# Altium PCB CameraControler0.4.PcbDoc (part 2 of 2)
Units mm, origin at the board's own origin, x right, y up, seen from the top; angles counter-clockwise.
Board outline 140 x 112 mm, 2 copper layers (Top Layer, Bottom Layer); 294 components, 219 nets, 919 pads, 87 vias.
Unrouted connection lines stored in the file: 409.
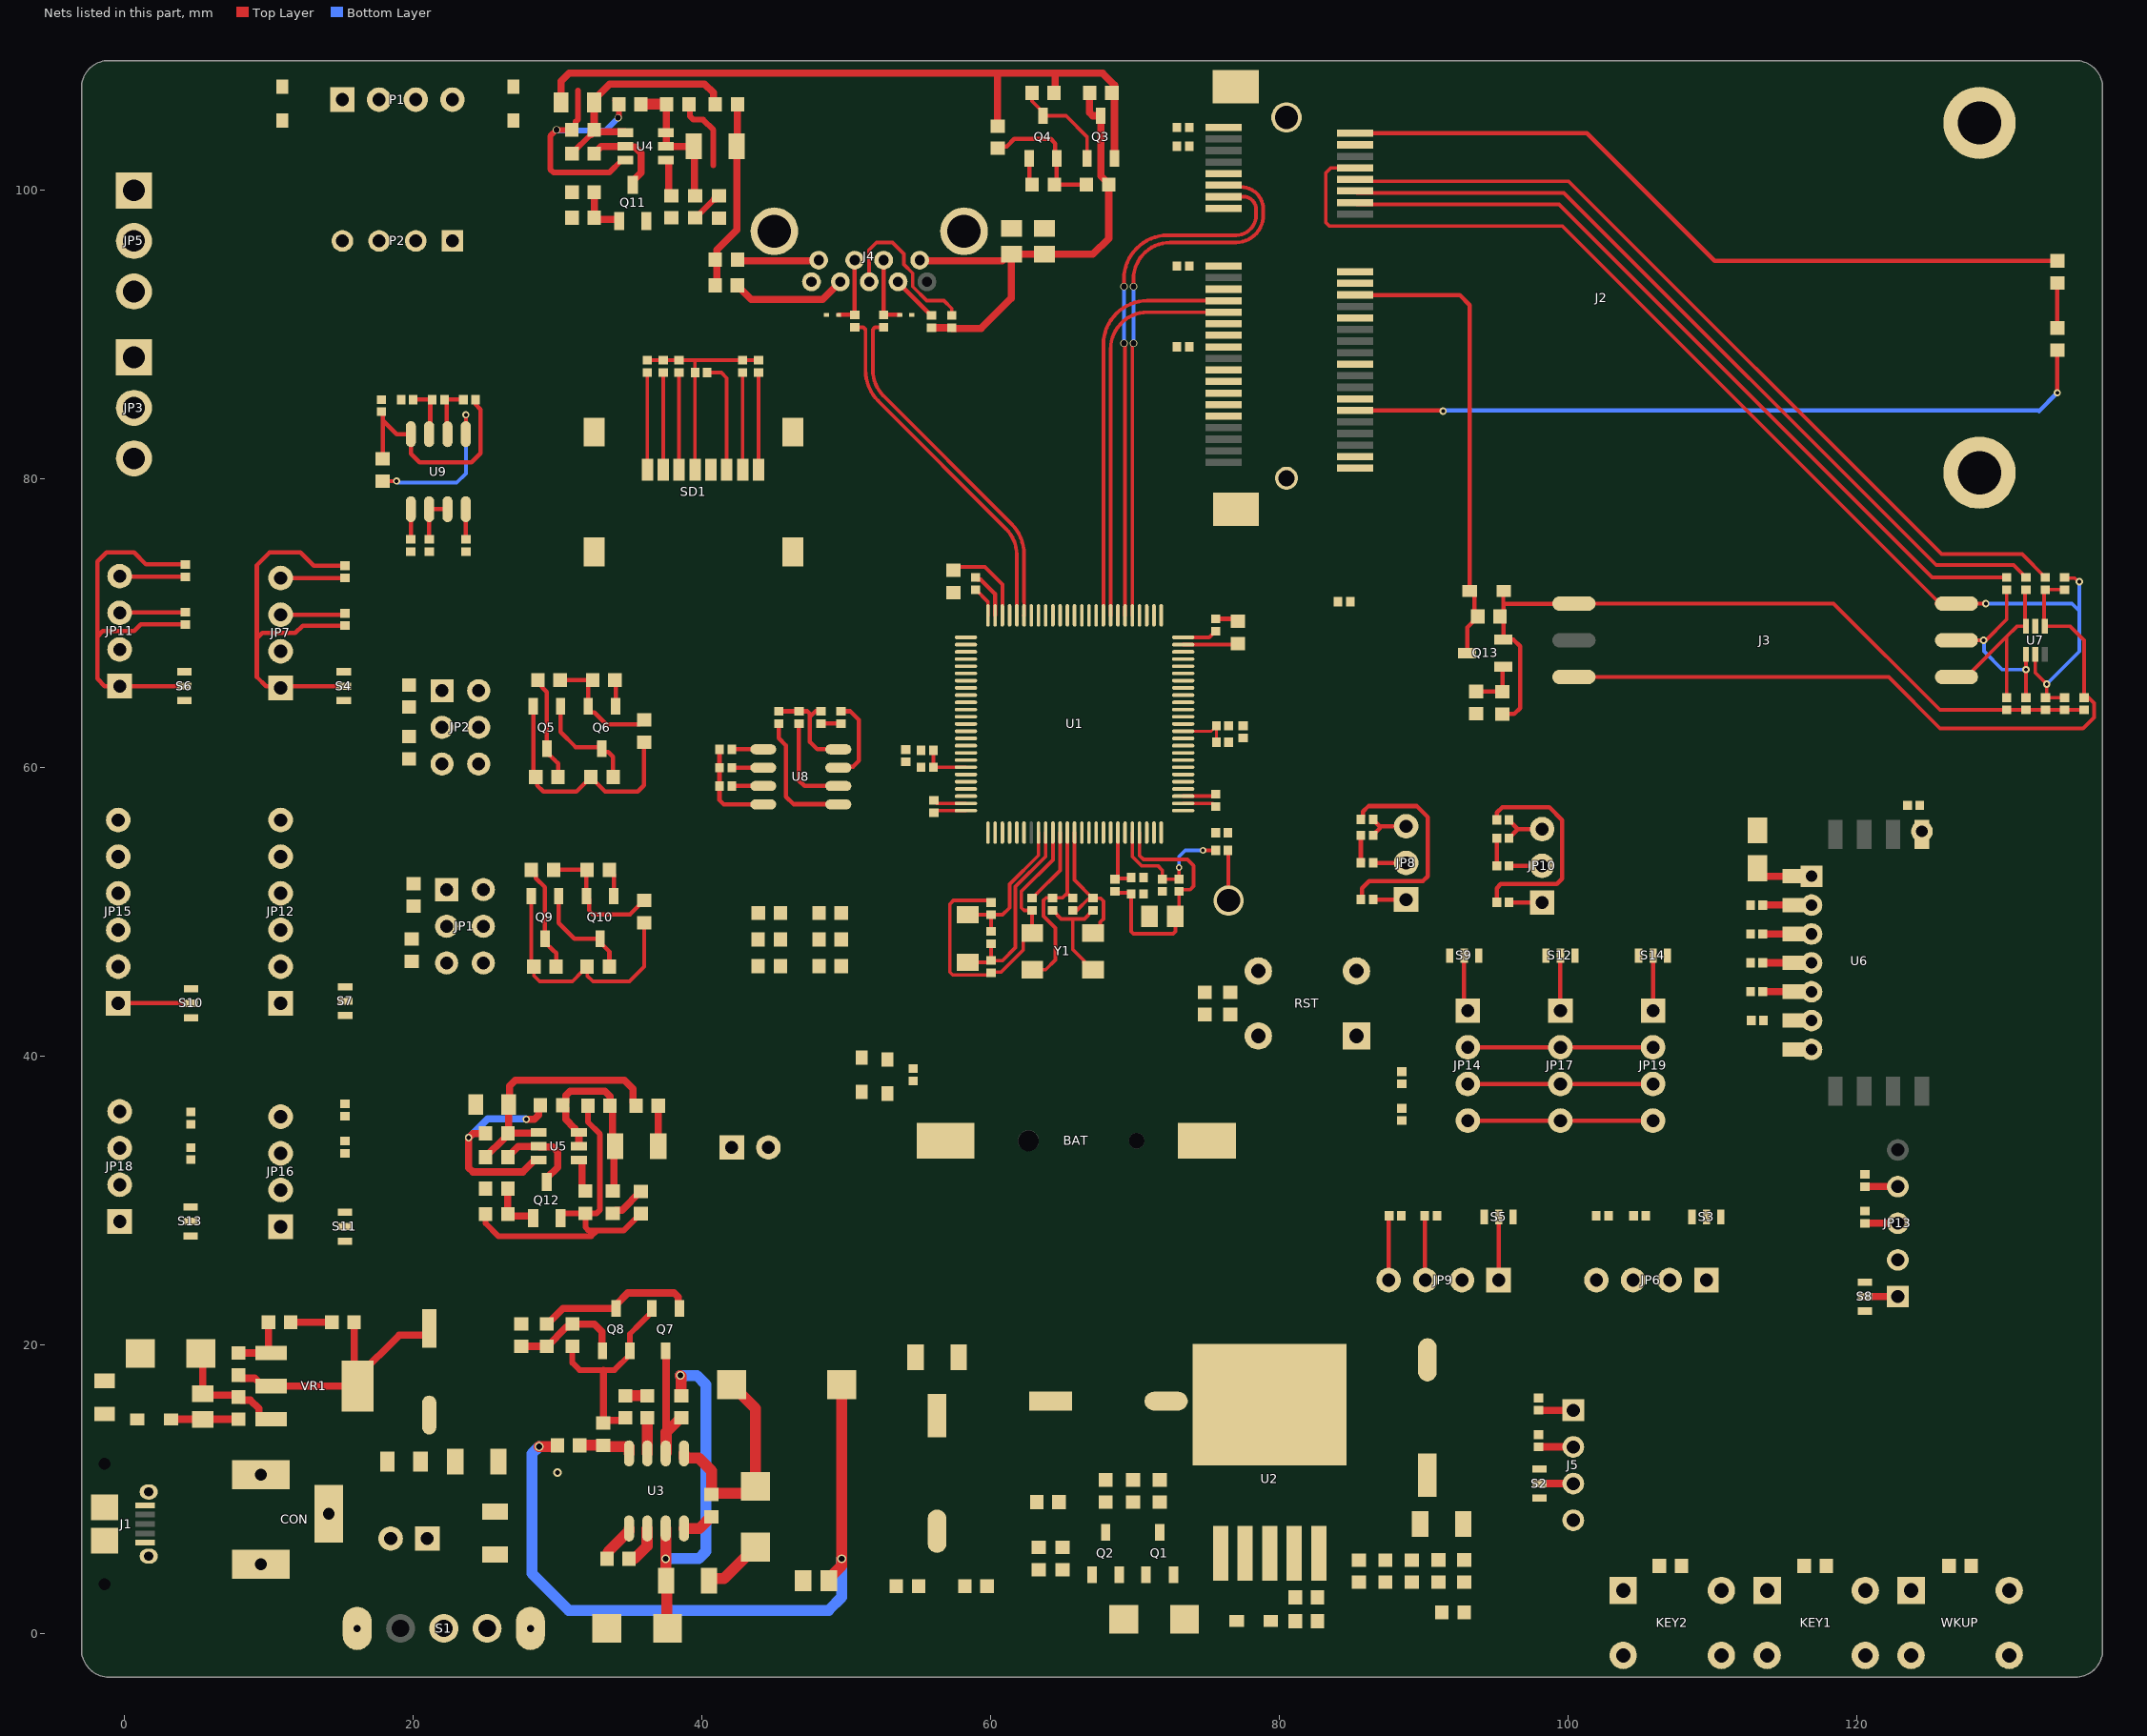
[diagram p2: the nets of this part, all layers, seen from the top]

## Via types
v1: diameter 0.6, hole 0.35, Top Layer to Bottom Layer, 60 vias
v2: diameter 0.508, hole 0.254, Top Layer to Bottom Layer, 9 vias
v3: diameter 0.508, hole 0.406, Top Layer to Bottom Layer, 6 vias
v4: diameter 0.61, hole 0.406, Top Layer to Bottom Layer, 4 vias
v5: diameter 4, hole 3, Top Layer to Bottom Layer, 4 vias
v6: diameter 0.508, hole 0.305, Top Layer to Bottom Layer, 2 vias
v7: diameter 0.457, hole 0.254, Top Layer to Bottom Layer, 2 vias

## Nets (pads, with @x,y where several pads share a name; then routed paths per layer and width w, separated by ;. In a path a pad name is that pad's centre, name@x,y a point inside that pad or via, vN(x,y) a via of type N, cw(c..) or ccw(c..) an arc to the next point about the centre after c; other vN are vias at no path point)
+3.3V_VCC: C18.1 C20.2 C21.1 C32.2 C50.1 D1.1 D3.1 LED1.A LED2.A LED3.A Q5.2 R2.1 R7.1 R9.1 R15.1 R16.1 R20.1 R21.1 R22.1 R23.1 R24.1 R42.2 R44.2 R123.1 R124.1 R126.2 SD1.4 U8.8 VR1.2 | length 60
  Top Layer w0.254: R20.1@36.196,88.233 R22.1@38.396,88.233 39.496,88.233 ; SD1.4@39.496,80.652 C18.1@39.496,87.383 39.496,88.233 ; R24.1@43.896,88.233 R23.1@42.796,88.233 39.496,88.233
  Top Layer w0.3: Q5.2@28.289,64.265 28.289,59.3 28.554,59.034 28.554,58.784 28.985,58.354 31.288,58.354 R42.2@32.279,59.345 ; R42.2@32.279,59.37 R42.2@32.279,59.345 ; C32.2@35.97,61.775 35.97,58.784 35.539,58.354 33.27,58.354 R42.2@32.279,59.345 ; R123.1@45.299,63.919 47.282,63.919 47.458,63.743 47.458,63.538 ; C50.1@48.22,63.919 47.839,63.919 47.458,63.538 ; U8.8@49.423,61.281 47.976,61.281 47.458,61.799 47.458,63.538
  Top Layer w0.5: C20.2@7.874,17.928 8.089,17.713 8.986,17.713 9.531,17.168 VR1.2@10.131,17.168 VR1.2@16.131,17.168 ; R126.2@15.883,21.59 15.883,17.416 VR1.2@16.131,17.168 ; C21.1@21.082,21.161 21.082,20.951 20.832,20.701 19.014,20.701 16.131,17.818 VR1.2@16.131,17.168
+3.3V_VCC_4G: J2.2 J2.39 J2.41 J2.52 R28.2 R72.2 R75.1 | length 52.3
  Top Layer w0.3: J2.2@85.217,103.961 101.271,103.961 110.109,95.123 R72.2@133.858,95.123
+3.3V_VCC_OUT3.3: C36.2 JP2.1 JP2.3 JP2.5 Q5.3 R44.1 R54.2 R101.1 S2.1 S3.1 S4.1 S5.1 S6.1 S7.1 S8.1 S9.1 S10.1 S11.1 S12.1 S13.1 S14.1 | length 7.3
  Top Layer w0.3: C36.2@28.613,66.084 28.613,65.873 29.239,65.248 Q5.3@29.239,61.315 29.239,61.065 29.782,60.522 29.797,60.522 30.009,60.31 R44.1@30.009,59.37
+3.3V_VCC_WiFi: C44.1 R41.2 U6.1 | length 2.9
  Top Layer w0.5: C44.1@113.084,53.046 113.084,52.917 113.509,52.492 U6.1@115.683,52.492
+3.3V_VDD: C10.1 C11.1 C12.1 C13.1 C14.1 C15.1 R6.1 R15.2 R16.2 U1.11 U1.19 U1.28 U1.50 U1.75 U1.100 | length 19
  Top Layer w0.254: C10.1@56.007,56.896 56.147,57.036 U1.100@58.261,57.036 ; C15.1@58.928,72.346 58.953,72.346 59.784,71.515 59.784,70.563 U1.75@59.786,70.561 ; C11.1@62.853,50.967 62.878,50.967 63.051,51.14 63.051,51.165 64.786,52.9 U1.11@64.786,55.511 ; R6.1@68.58,52.285 68.639,52.344 R6.1@68.664,52.344 ; U1.19@68.786,55.511 68.786,52.466 R6.1@68.664,52.344 ; C12.1@69.704,52.403 69.645,52.344 R6.1@68.664,52.344 ; U1.28@73.311,58.036 73.313,58.038 75.432,58.038 C13.1@75.565,58.171 ; U1.50@73.311,69.036 75.107,69.036 75.54,69.469 C14.1@75.565,69.469
+5V_VBAT: R25.2 R26.2 S1.2
+5V_VBAT_IN: C29.2 C38.2 D4.1 D5.1 D6.2 D7.1 D10.1 F3.2 F4.2 F5.2 Q3.2 Q9.2 R35.2 R37.2 R55.2 R56.2 | length 68.6
  Top Layer w0.254: Q9.2@28.157,51.114 28.157,46.399 R56.2@28.337,46.219 28.337,45.6 28.734,45.203 31.012,45.203 31.665,45.856 31.69,45.856 R55.2@32.028,46.194 ; R55.2@32.028,46.219 R55.2@32.028,46.194 ; C38.2@35.973,49.267 35.973,46.219 34.957,45.203 32.425,45.203 32.028,45.6 R55.2@32.028,46.194
  Top Layer w0.5: F4.2@30.226,106.103 30.226,107.569 30.79,108.133 60.458,108.133 ; C29.2@60.458,104.458 60.458,108.133 ; R35.2@64.456,106.849 64.456,108.133 ; Q3.2@68.549,102.221 68.549,107.31 67.726,108.133 64.456,108.133 ; 60.458,108.133 64.456,108.133
  Top Layer w0.6: F4.2@30.224,106.101 F4.2@30.226,106.103 ; R35.2@64.371,106.763 R35.2@64.456,106.849
+5V_VCC_CAM: R57.2 R88.1 R89.1 R136.2 | length 13.2
  Top Layer w0.4: R57.2@42.39,103.053 R57.2@42.415,103.078 ; R136.2@42.415,105.949 R136.2@42.44,105.974
  Top Layer w0.5: R89.1@40.886,93.417 41.021,93.552 41.021,95.885 42.39,97.254 R57.2@42.39,103.053 ; R57.2@42.415,103.078 R136.2@42.415,105.949
+5V_VCC_OUT: JP4.1 R65.2 R137.2 | length 2.8
  Top Layer w0.5: R65.2@36.951,33.782 R137.2@36.951,36.588
+5V_VCC_OUT5: C41.2 JP1.1 JP1.3 JP1.5 Q9.3 R46.2 R56.1 S2.3 S3.3 S4.3 S5.3 S6.3 S7.3 S8.3 S9.3 S10.3 S11.3 S12.3 S13.3 S14.3 | length 7.4
  Top Layer w0.3: C41.2@28.157,52.933 28.472,52.618 28.472,52.359 29.107,51.724 Q9.3@29.107,48.164 29.107,47.914 29.651,47.371 29.665,47.371 29.877,47.159 R56.1@29.877,46.219
+5V_VCC_USB: C30.2 C51.2 C52.2 J4.1 Q3.3 R37.1 R84.2 R125.2 | length 34.5
  Top Layer w0.254: R37.1@66.616,106.763 R37.1@66.616,107.117
  Top Layer w0.5: J4.1@55.062,95.171 55.114,95.119 60.79,95.119 61.263,95.592 C51.2@61.418,95.592 ; R84.2@55.88,90.485 R125.2@57.277,90.485 57.327,90.435 58.352,90.435 58.363,90.424 59.309,90.424 61.418,92.533 C51.2@61.418,95.592 ; R37.1@66.829,106.763 66.829,105.405 67.062,105.171 Q3.3@67.599,105.171 67.599,100.985 C30.2@68.156,100.427 ; C30.2@68.156,100.402 68.156,96.686 67.062,95.592 C52.2@63.704,95.592 C51.2@61.418,95.592
ADC_CH1: R100.2 R132.1 U1.15 | length 15.4
  Top Layer w0.3: R100.2@85.615,50.898 R100.2@85.615,50.873 85.687,50.945 85.687,51.648 86.182,52.143 89.908,52.143 90.25,52.485 90.25,56.588 89.488,57.35 86.146,57.35 85.765,56.969 85.765,56.584 R132.1@85.615,56.434
ADC_CH2: R103.2 R104.1 U1.16 | length 2.1
  Top Layer w0.3: R104.1@85.615,55.318 R103.2@85.615,53.413 R103.2@85.765,53.563
ADC_CH3: R106.2 R107.1 U1.17 | length 15.4
  Top Layer w0.3: R106.2@95.035,50.673 95.035,51.666 95.312,51.943 99.187,51.943 99.568,52.324 99.568,56.388 98.679,57.277 95.416,57.277 95.035,56.896 R107.1@95.035,56.388
ADC_CH4: R108.2 R109.1 U1.18 | length 1.9
  Top Layer w0.3: R108.2@95.035,53.213 R109.1@95.035,55.118
BOOT0: R7.2 R8.1 U1.94 | length 3.4
  Top Layer w0.254: R7.2@56.007,61.222 R8.1@56.007,60.036 U1.94@58.261,60.036
BOOT1: R9.2 R10.1 U1.37 | length 3.6
  Top Layer w0.203: U1.37@73.311,62.536 75.256,62.536 75.604,62.884 R10.1@75.604,61.766
Cam_Connect: J4.8 R84.1 U1.4 | length 3.3
  Top Layer w0.3: J4.8@53.562,93.671 53.562,93.628 55.855,91.335 R84.1@55.88,91.335
Cam_TakePhoto: J4.7 R125.1 U1.5 | length 11.5
  Top Layer w0.254: J4.7@51.562,93.671 51.562,95.885 51.689,96.012 52.07,96.393 53.174,96.393 53.975,95.592 53.975,94.869 54.576,94.268 54.576,93.343 55.558,92.361 56.737,92.361 57.277,91.821 R125.1@57.277,91.335
EC25_DTR: R80.1 U1.60
EC25_PERST#: R73.1 U1.61
EC25_RI: R81.1 U1.57
EC25_W_DISABLE: R83.2 U1.88
EC25_WAKE#: R82.1 U1.62
GND: BAT.2 C1.1 C2.2 C3.1 C4.1 C5.2 C6.1 C7.2 C8.1 C9.1 C10.2 C11.2 C12.2 C13.2 C14.2 C15.2 C16.2 C17.2 C18.2 C19.1 C20.1 C21.2 C22.1 C23.2 C24.1 C25.2 C26.1 C27.1 C28.1 C29.1 C30.1 C32.1 C33.2 C34.2 C35.1 C36.1 C38.1 C40.1 C41.1 C43.1 C44.2 C45.1 C46.1 C47.1 C48.1 C49.1 C50.2 C51.1 C52.1 C53.2 C54.1 CON.2 CON.3 D6.1 D9.1 D11.1 D13.1 D14.2 D15.2 J1.5 J1.Shell J2.4 J2.9 J2.15 J2.18 J2.21 J2.26 J2.27 J2.29 J2.34 J2.35 J2.37 J2.40 J2.43 J2.50 J2.53 J2.54 J2.MH1 J2.MH2 J2.MH3 J2.MH4 J3.4 J4.5 J4.Shell J5.4 JP1.2 JP1.4 JP1.6 JP2.2 JP2.4 JP2.6 JP3.3 JP4.2 JP5.3 JP6.2 JP7.2 JP8.3 JP9.2 JP10.3 JP11.2 JP12.2 JP13.2 JP14.2 JP15.2 JP16.2 JP17.2 JP18.2 JP19.2 JP20.2 KEY1.2 KEY2.2 LED11.K LED12.K LED13.K LED14.K LED15.K LED16.K LED18.K P1.4 P2.2 Q1.2 Q2.2 Q4.2 Q6.2 Q7.2 Q8.2 Q10.2 Q11.2 Q12.2 Q13.2 R8.2 R10.2 R31.1 R33.1 R38.1 R39.1 R47.1 R49.1 R51.2 R52.1 R53.1 R61.2 R62.1 R64.2 R69.2 R71.2 R74.2 R85.2 R86.2 R87.2 R90.2 R104.2 R107.2 R109.2 R122.1 R132.2 RST.1 S1.0 SD1.6 SD1.9 SD1.10 SD1.11 SD1.12 U1.10 U1.20 U1.27 U1.74 U1.99 U2.0 U2.3 U3.5 U6.7 U7.2 U8.4 U9.5 VR1.1 WKUP.2 Y1.2 Y1.4 | length 230.1
  Top Layer w0.254: C53.2@17.868,79.867 v2(18.824,79.867) ; U9.5@23.622,83.118 v2(23.622,84.455) ; C18.2@40.346,87.383 41.315,87.383 41.696,87.002 SD1.6@41.696,80.652 ; C10.2@56.007,57.746 C10.2@56.032,57.746 56.242,57.536 U1.99@58.261,57.536 ; C16.2@60.001,50.664 59.857,50.808 57.404,50.808 57.15,50.554 57.15,45.848 57.35,45.648 59.85,45.648 C17.2@60.001,45.799 60.05,45.848 60.707,45.848 62.23,47.371 62.23,48.081 62.703,48.554 Y1.4@62.853,48.554 C11.2@62.853,50.117 62.294,50.117 62.103,50.308 62.103,51.435 64.286,53.618 U1.10@64.286,55.511 ; C2.2@64.258,50.117 64.283,50.117 64.863,49.538 65.664,49.538 ; Y1.2@67.069,46.014 66.919,46.014 66.446,46.487 66.446,46.637 65.664,47.42 65.664,49.538 ; C5.2@67.069,50.117 67.044,50.117 66.465,49.538 65.664,49.538 ; U1.27@73.311,57.536 75.325,57.536 75.54,57.321 C13.2@75.565,57.321 ; 95.484,71.374 95.484,72.23 D13.1@95.517,72.263 ; J3.4@100.373,71.374 118.364,71.374 125.73,64.008 C47.1@130.346,64.008 C48.1@131.688,64.008 C49.1@133.026,64.008 ; C49.1@133.03,64.008 C46.1@135.714,64.008
  Top Layer w0.3: C41.1@29.697,52.933 R62.1@32.028,52.933 31.975,52.88 Q10.2@31.975,51.114 32.15,50.939 32.15,50.124 32.425,49.849 34.99,49.849 35.948,50.807 C38.1@35.973,50.807 ; C36.1@30.153,66.084 R49.1@32.406,66.084 32.099,65.777 Q6.2@32.099,64.265 32.099,64.015 32.274,63.84 32.524,63.84 33.365,63 35.655,63 C32.1@35.97,63.315 ; R85.2@41.191,61.281 R86.2@41.191,60.011 R87.2@41.191,58.741 41.191,57.769 41.489,57.471 U8.4@44.223,57.471 ; C50.2@48.22,63.069 R122.1@49.617,63.069 ; C15.2@58.928,73.196 59.078,73.046 59.281,73.046 60.286,72.041 U1.74@60.286,70.561 ; C29.1@60.458,102.918 60.593,103.053 61.093,103.053 61.601,103.561 64.141,103.561 64.456,103.246 64.456,102.316 Q4.2@64.551,102.221 R39.1@64.551,100.575 ; R39.1@64.522,100.547 R39.1@64.551,100.575 ; C30.1@66.616,100.402 64.724,100.402 R39.1@64.551,100.575 ; C14.2@75.565,70.319 76.926,70.319 C3.1@77.089,70.156 ; R104.2@86.465,55.318 86.465,55.343 86.921,55.799 86.921,55.953 ; R132.2@86.465,56.434 86.465,56.409 86.921,55.953 ; JP8.3@88.729,55.975 JP8.3@88.751,55.953 86.921,55.953 ; JP14.2@93.027,40.64 JP17.2@99.441,40.64 JP19.2@105.855,40.64 ; R74.2@95.424,63.727 96.239,63.727 96.647,64.135 96.647,68.426 96.178,68.895 Q13.2@95.484,68.895 95.484,71.374 J3.4@100.373,71.374 ; R109.2@95.885,55.118 95.885,55.143 96.495,55.753 ; R107.2@95.885,56.388 95.885,56.363 96.495,55.753 ; JP10.3@98.171,55.753 96.495,55.753
  Top Layer w0.4: R71.2@24.986,29.083 24.986,28.448 25.875,27.559 32.305,27.559 32.686,27.94 ; Q12.2@30.19,28.801 30.19,28.994 30.34,29.144 R69.2@31.903,29.144 ; R52.1@31.007,19.923 31.007,18.777 31.496,18.288 33.917,18.288 34.986,19.357 Q8.2@34.986,19.607 34.986,20.782 35.686,21.482 35.69,21.482 36.515,22.307 Q7.2@36.515,22.557 ; C43.1@32.07,36.588 32.07,35.467 32.92,34.617 32.92,29.378 32.686,29.144 R69.2@31.903,29.144 ; LED14.K@35.751,29.116 35.726,29.116 34.55,27.94 32.686,27.94 ; C40.1@39.069,105.974 39.151,105.892 39.151,105.136 39.385,104.902 40.059,104.902 40.765,104.196 40.765,101.727 ; R69.2@31.903,29.144 31.903,28.174 32.137,27.94 32.686,27.94
  Top Layer w0.5: R47.1@33.147,14.605 33.147,18.253
  Top Layer w0.508: D6.1@3.212,14.868 C19.1@7.874,14.868 ; C20.1@7.874,19.468 VR1.1@10.131,19.468 9.954,19.645 LED18.K@9.954,21.59 ; R47.1@33.147,14.605 33.325,14.783 34.493,14.783 R53.1@34.671,14.962
  Top Layer w0.762: R51.2@33.393,5.207 33.477,5.291 33.477,5.695 34.925,7.143 U3.5@34.925,7.306 ; C33.2@40.615,3.838 41.506,3.838 D11.1@43.688,6.02
  Bottom Layer w0.254: v2(18.824,79.867) 18.935,79.756 22.987,79.756 23.622,80.391 v2(23.622,84.455)
  other v1: 29.972,11.176
I2C1_SCL: R124.2 U1.95 U8.6 | length 6.8
  Top Layer w0.3: R124.2@46.696,63.069 46.696,59.122 47.077,58.741 U8.6@49.423,58.741
I2C1_SDA: R123.2 U1.96 U8.5 | length 9.1
  Top Layer w0.3: R123.2@45.299,63.069 45.299,62.053 45.807,61.545 45.807,57.989 46.315,57.481 49.413,57.481 U8.5@49.423,57.471
I2C2_SCL: JP14.3 JP17.3 JP19.3 R114.2 U1.47 | length 12.8
  Top Layer w0.3: JP14.3@93.027,38.1 JP17.3@99.441,38.1 JP19.3@105.855,38.1
I2C2_SDA: JP14.4 JP17.4 JP19.4 R116.2 U1.48 | length 12.8
  Top Layer w0.3: JP14.4@93.027,35.56 JP17.4@99.441,35.56 JP19.4@105.855,35.56
I2C_SCL_OLED: R97.2 U1.84
I2C_SCL_S1: JP7.3 R98.2 U1.92 | length 4.7
  Top Layer w0.3: JP7.3@10.795,70.612 15.328,70.612 R98.2@15.24,70.7
I2C_SCL_S2: JP11.3 R110.2 U1.81 | length 4.5
  Top Layer w0.3: JP11.3@-0.254,70.739 -0.232,70.761 4.169,70.761 R110.2@4.191,70.783
I2C_SDA_OLED: R96.2 U1.85
I2C_SDA_S1: JP7.4 R99.2 U1.93 | length 4.4
  Top Layer w0.3: JP7.4@10.795,73.152 R99.2@15.24,73.152
I2C_SDA_S2: JP11.4 R111.2 U1.82 | length 4.5
  Top Layer w0.3: JP11.4@-0.254,73.279 -0.21,73.235 R111.2@4.191,73.235
IO1_IN: R112.2 U1.33
IO1_OUT: R102.2 U1.38
IO2_IN: R113.2 U1.34
IO2_OUT: R105.2 U1.39
KEY1: R18.1 U1.97
KEY2: R19.1 U1.98
KEY_WKUP: R1.1 R17.1 U1.23
LED1: R12.1 U1.1
LED2: R13.1 U1.2
LED3: R14.1 U1.3
LED_WWAN#: J2.42 LED10.K | length 52.1
  Top Layer w0.3: J2.42@85.217,84.761 91.261,84.761 v2(91.313,84.709) ; v2(133.858,85.979) LED10.K@133.858,88.928
  Bottom Layer w0.3: v2@91.313,84.761 132.588,84.761 ; 132.588,84.709 v2(133.858,85.979)
LOG_RXD: P2.4 U1.69
LOG_TXD: P2.3 U1.68
NetBAT_1: BAT.1 D2.1
NetC1_2: C1.2 R2.2 RST.2 U1.14
NetC2_1: C2.1 R3.2 U1.12 Y1.1 | length 13
  Top Layer w0.254: Y1.1@62.853,46.014 63.786,46.014 64.46,46.688 64.46,48.895 63.627,49.728 63.627,50.808 63.817,50.998 64.227,50.998 C2.1@64.258,50.967 64.289,50.998 64.964,50.998 65.286,51.32 ; U1.12@65.286,55.511 65.286,51.32 ; R3.2@65.664,50.967 65.639,50.967 65.286,51.32
NetC3_2: C3.2 U1.49 | length 3.8
  Top Layer w0.254: U1.49@73.311,68.536 77.009,68.536 C3.2@77.089,68.616
NetC4_2: C4.2 U1.73 | length 6.1
  Top Layer w0.254: C4.2@57.404,73.676 57.642,73.914 59.563,73.914 60.786,72.691 U1.73@60.786,70.561
NetC5_1: C5.1 R3.1 U1.13 Y1.3 | length 10.1
  Top Layer w0.203: C5.1@66.786,50.967 C5.1@67.044,50.967 ; Y1.3@67.069,48.554 Y1.3@67.564,49.049
  Top Layer w0.254: R3.1@65.664,50.117 65.936,50.117 C5.1@66.786,50.967 ; U1.13@65.786,55.511 65.786,52.225 67.044,50.967 C5.1@67.069,50.967 67.588,50.967 67.786,50.769 67.786,49.538 67.564,49.316 Y1.3@67.564,49.049
NetC6_2: C6.2 R4.1 R5.1 U1.21 | length 10.2
  Top Layer w0.254: U1.21@69.786,55.511 69.786,53.84 70.413,53.213 71.552,53.213 71.865,52.9 C6.2@71.865,52.285 R4.1@73.025,52.285 v7(73.025,53.086) ; v7(74.676,54.273) R5.1@75.565,54.273
  Bottom Layer w0.254: v7(73.025,53.086) 73.025,53.848 73.45,54.273 v7(74.676,54.273)
NetC7_1: C7.1 D1.2 D2.2 U1.6
NetC19_2: C19.2 C22.2 D5.2 VR1.3 | length 8.6
  Top Layer w0.5: D5.2@5.275,19.431 5.402,19.304 C22.2@5.402,16.648 5.522,16.528 7.754,16.528 C19.2@7.874,16.408 8.089,16.193 8.699,16.193 9.281,15.611 9.281,15.118 9.531,14.868 VR1.3@10.131,14.868
NetC23_1: C23.1 C24.2 D7.2 D9.2 R29.2 R32.2 U2.2
NetC25_1: C25.1 C26.2 C27.2 C28.2 R27.2 R28.1 R30.2 R31.2 U2.4
NetC31_1: C31.1 U3.8 | length 2.2
  Top Layer w0.762: U3.8@38.735,7.306 39.801,7.306 40.615,8.12 C31.1@40.64,8.12
NetC31_2: C31.2 D11.2 L1.2 U3.1 | length 15.2
  Top Layer w0.762: U3.1@38.735,12.506 38.735,12.223 38.766,12.192 39.751,12.192 40.64,11.303 C31.2@40.64,9.66 40.724,9.744 43.212,9.744 D11.2@43.688,10.22 43.688,15.621 L1.2@42.037,17.272
NetC33_1: C33.1 D10.2 R45.1 U3.7 | length 25
  Top Layer w0.762: U3.7@37.465,7.306 v4(37.465,5.207) 37.465,3.714 C33.1@37.496,3.683 37.544,3.635 37.544,0.429 D10.2@37.592,0.381 ; v4(38.481,17.907) 38.522,17.866 38.522,16.527 R45.1@38.547,16.502
  Bottom Layer w0.762: v4(37.465,5.207) 39.751,5.207 40.259,5.715 40.259,17.272 39.624,17.907 v4(38.481,17.907)
NetC34_1: C34.1 C35.2 L1.1 R40.2 R41.1 R43.2 | length 49.9
  Top Layer w0.762: v4(28.702,12.981) 29.88,12.981 R40.2@29.964,13.065 29.972,13.057 29.964,13.049 R40.2@29.972,13.041 ; C35.2@48.769,3.683 48.769,3.838 49.657,4.726 v4(49.657,5.207) L1.1@49.657,17.272
  Bottom Layer w0.762: v4(28.702,12.981) 28.194,12.473 28.194,4.191 30.749,1.636 48.753,1.636 49.657,2.54 v4(49.657,5.207)
NetC37_1: C37.1 R53.2 | length 1.5
  Top Layer w0.762: R53.2@34.671,16.502 C37.1@36.195,16.502
NetC37_2: C37.2 U3.3 | length 2.5
  Top Layer w0.762: U3.3@36.195,12.506 C37.2@36.195,14.962
NetC39_1: C39.1 C40.2 R57.1 R60.2 U4.2 U4.3 | length 10.1
  Top Layer w0.5: U4.2@37.474,103.053 R57.1@39.41,103.053 39.456,103.006 39.456,99.686 R60.2@39.503,99.64 ; U4.2@37.501,103.08 C40.2@37.501,105.946
  Top Layer w0.762: C39.1@35.759,105.974 C40.2@37.529,105.974 C40.2@37.501,105.946
NetC39_2: C39.2 R59.1 U4.6 | length 18.5
  Top Layer w0.4: 31.375,106.934 31.375,104.902 31.235,104.762 31.235,104.461 R59.1@30.97,104.196 v3(29.906,104.196) 29.47,103.76 29.47,101.473 29.708,101.235 33.556,101.235 34.424,102.103 U4.6@34.674,102.103 ; C39.2@33.954,106.239 C39.2@34.219,105.974 34.219,105.079 v3(34.169,105.029)
  Bottom Layer w0.4: v3(29.906,104.196) 29.962,104.14 33.28,104.14 v3(34.169,105.029)
NetC42_1: C42.1 C43.2 R65.1 R67.2 U5.2 U5.3 | length 14.3
  Top Layer w0.5: U5.2@31.457,33.782 U5.3@31.457,34.732 31.207,34.732 31.157,34.782 31.157,35.032 30.542,35.647 30.542,36.402 C42.1@30.327,36.617 30.542,36.832 30.542,37.299 30.835,37.592 33.252,37.592 33.61,37.234 C43.2@33.61,36.588 33.79,36.408 33.79,33.962 R65.1@33.971,33.782 33.889,33.7 33.889,30.766 R67.2@33.808,30.684
NetC42_2: C42.2 R68.1 U5.6 | length 14.9
  Top Layer w0.5: R68.1@24.986,34.671 24.116,34.671 v6(23.823,34.378) 23.823,32.297 24.116,32.004 27.579,32.004 28.407,32.832 U5.6@28.657,32.832 ; v6(27.805,35.647) 27.806,35.649 28.365,35.649 28.657,35.941 28.657,36.487 C42.2@28.787,36.617
  Bottom Layer w0.5: v6(23.823,34.378) 25.132,35.687 27.765,35.687 v6(27.805,35.647)
NetC46_2: C46.2 J3.6 R76.1 R79.2 U7.1 | length 50.6
  Top Layer w0.254: J3.6@100.373,66.294 122.174,66.294 125.73,62.738 135.636,62.738 136.398,63.5 136.398,64.477 135.934,64.941 135.714,64.941 C46.2@135.753,64.98 ; U7.1@132.94,69.953 132.94,72.26 R79.2@133.026,72.346 R76.1@134.366,72.346 ; U7.1@132.984,69.804 134.747,69.804 135.714,68.837 C46.2@135.714,64.858
NetC47_2: C47.2 J3.3 R78.2 U7.3 | length 12.9
  Top Layer w0.254: J3.3@126.873,66.294 127.554,66.294 130.346,69.086 ; C47.2@130.346,64.858 130.346,69.086 ; U7.3@131.622,69.935 131.622,72.282 R78.2@131.686,72.346 ; U7.3@131.684,69.804 131.064,69.804 130.346,69.086
NetC48_2: C48.2 J3.2 R77.2 U7.4 | length 13.4
  Top Layer w0.254: J3.2@126.873,68.834 v2(128.754,68.834) 128.907,68.834 130.346,70.273 R77.2@130.346,72.346 ; U7.4@131.684,67.864 131.685,67.863 v2(131.685,66.802) 131.685,64.859 C48.2@131.686,64.858
  Bottom Layer w0.254: v2(128.754,68.834) 128.778,68.81 128.778,68.072 130.048,66.802 v2(131.685,66.802)
NetC53_1: C53.1 R92.2 R101.2 U9.8 | length 16.1
  Top Layer w0.3: C53.1@17.868,81.407 17.868,84.074 ; R101.2@17.868,84.66 17.868,84.074 ; R92.2@24.301,85.51 24.301,85.173 24.638,84.836 24.638,81.788 24.003,81.153 20.427,81.153 19.812,81.768 U9.8@19.812,83.118 18.824,83.118 17.868,84.074
NetCON_1: CON.1 JP20.1 R26.1
NetD3_2: D3.2 P1.1
NetD4_2: D4.2 P2.1
NetD14_1: D14.1 J4.3 R134.2 | length 4.9
  Top Layer w0.3: D14.1@49.442,91.379 R134.2@50.562,91.379 J4.3@50.562,95.171
NetD15_1: D15.1 J4.2 R133.2 | length 4.9
  Top Layer w0.3: J4.2@52.562,95.171 R133.2@52.562,91.379 D15.1@53.682,91.379
NetF1_1: F1.1 R25.1
NetF1_2: F1.2 J1.1
NetF3_1: F3.1 S1.3
NetF4_1: F4.1 R58.2 R59.2 R136.1 U4.4 | length 16.4
  Top Layer w0.4: R58.2@30.978,102.57 R59.2@32.295,103.887
  Top Layer w0.5: R58.2@30.978,102.545 R58.2@30.978,102.57 ; R59.2@32.295,103.887 32.295,103.981 R59.2@32.51,104.196 ; U4.4@34.674,104.003 34.624,104.053 32.653,104.053 R59.2@32.51,104.196 ; R136.1@40.9,105.974 40.765,106.109 40.765,106.763 40.157,107.371 33.589,107.371 32.51,106.291 F4.1@32.51,106.101 R59.2@32.51,104.196
NetF5_1: F5.1 R66.2 R68.2 R137.1 U5.4 | length 17.4
  Top Layer w0.5: R66.2@24.986,33.02 24.986,33.045 26.311,34.37 26.311,34.456 R68.2@26.526,34.671 ; R68.2@26.6,34.954 F5.1@26.6,36.675 26.667,36.742 26.667,37.973 27.048,38.354 34.618,38.354 35.196,37.776 35.196,36.803 R137.1@35.411,36.588 ; R68.2@26.852,34.702 28.626,34.702 U5.4@28.657,34.732
NetJ2_1: J2.1 R75.2 R82.2
NetJ2_17: J2.17 R81.2
NetJ2_20: J2.20 R83.1
NetJ2_31: J2.31 R80.2
NetJ4_4: J4.4 R88.2 | length 5.7
  Top Layer w0.5: R88.2@42.44,95.201 42.523,95.119 48.01,95.119 J4.4@48.062,95.171
NetJ4_6: J4.6 R89.2 | length 8.1
  Top Layer w0.5: R89.2@42.426,93.417 42.426,93.392 42.641,93.177 42.666,93.177 43.387,92.456 48.347,92.456 J4.6@49.562,93.671
NetJ5_1: J5.1 R96.1 | length 2.4
  Top Layer w0.508: R96.1@97.917,15.494 J5.1@100.33,15.494
NetJ5_2: J5.2 R97.1 | length 2.4
  Top Layer w0.508: R97.1@97.917,12.954 J5.2@100.33,12.954
NetJ5_3: J5.3 S2.2 | length 2.3
  Top Layer w0.508: S2.2@97.99,10.414 J5.3@100.33,10.414
NetJP3_1: JP3.1 JP5.1 R90.1 R94.1 U9.7 | length 3.6
  Top Layer w0.3: R90.1@19.983,85.51 R94.1@21.292,85.51 ; U9.7@21.082,83.118 21.159,83.195 R94.1@21.159,85.377
NetJP3_2: JP3.2 JP5.2 R92.1 R94.2 U9.6 | length 3.7
  Top Layer w0.3: U9.6@22.352,83.118 22.288,83.182 22.288,85.447 22.225,85.51 R92.1@23.451,85.51
NetJP6_1: JP6.1 S3.2
NetJP6_3: JP6.3 R102.1
NetJP6_4: JP6.4 R105.1
NetJP7_1: JP7.1 R98.1 R99.1 S4.2 | length 27.3
  Top Layer w0.3: S4.2@15.167,65.659 10.922,65.659 10.919,65.656 9.782,65.656 9.144,66.294 9.144,68.961 ; R98.1@15.24,69.85 12.319,69.85 11.811,69.342 9.525,69.342 9.144,68.961 ; R99.1@15.24,74.002 13.088,74.002 12.16,74.93 10.033,74.93 9.144,74.041 9.144,68.961
NetJP8_1: JP8.1 R100.1 | length 2.3
  Top Layer w0.3: R100.1@86.465,50.873 JP8.1@88.751,50.873
NetJP8_2: JP8.2 R103.1 | length 2.3
  Top Layer w0.3: R103.1@86.465,53.413 JP8.2@88.751,53.413
NetJP9_1: JP9.1 S5.2 | length 4.4
  Top Layer w0.3: JP9.1@95.16,24.511 S5.2@95.16,28.883
NetJP9_3: JP9.3 R112.1 | length 4.5
  Top Layer w0.3: R112.1@90.036,28.956 90.058,28.934 90.058,24.533 JP9.3@90.08,24.511
NetJP9_4: JP9.4 R113.1 | length 4.5
  Top Layer w0.3: JP9.4@87.54,24.511 87.56,24.531 87.56,28.936 R113.1@87.579,28.956
NetJP10_1: JP10.1 R106.1 | length 2.3
  Top Layer w0.3: R106.1@95.885,50.673 JP10.1@98.171,50.673
NetJP10_2: JP10.2 R108.1 | length 2.3
  Top Layer w0.3: R108.1@95.885,53.213 JP10.2@98.171,53.213
NetJP11_1: JP11.1 R110.1 R111.1 S6.2 | length 27.5
  Top Layer w0.3: S6.2@4.118,65.659 -0.254,65.659 -1.397,65.659 -1.905,66.167 -1.905,69.088 ; R110.1@4.191,69.933 1.099,69.933 0.635,69.469 -1.524,69.469 -1.905,69.088 ; R111.1@4.191,74.085 1.48,74.085 0.635,74.93 -1.27,74.93 -1.905,74.295 -1.905,69.088
NetJP12_1: JP12.1 S7.2
NetJP13_1: JP13.1 S8.2 | length 2.3
  Top Layer w0.508: S8.2@120.523,23.368 JP13.1@122.809,23.368
NetJP13_3: JP13.3 R115.1 | length 2.3
  Top Layer w0.508: R115.1@120.523,28.448 JP13.3@122.809,28.448
NetJP13_4: JP13.4 R117.1 | length 2.3
  Top Layer w0.508: R117.1@120.523,30.988 JP13.4@122.809,30.988
NetJP14_1: JP14.1 R114.1 R116.1 S9.2 | length 3.9
  Top Layer w0.3: S9.2@92.773,46.99 92.773,43.434 JP14.1@93.027,43.18
NetJP15_1: JP15.1 S10.2 | length 4.5
  Top Layer w0.3: JP15.1@0.127,43.688 S10.2@4.6,43.688
NetJP16_1: JP16.1 S11.2
NetJP16_3: JP16.3 R118.1
NetJP16_4: JP16.4 R119.1
NetJP17_1: JP17.1 S12.2 | length 3.8
  Top Layer w0.3: JP17.1@99.441,43.18 S12.2@99.441,46.99
NetJP18_1: JP18.1 S13.2
NetJP18_3: JP18.3 R120.1
NetJP18_4: JP18.4 R121.1
NetJP19_1: JP19.1 S14.2 | length 3.8
  Top Layer w0.3: JP19.1@105.855,43.18 S14.2@105.855,46.99
NetKEY1_1: KEY1.1 R18.2
NetKEY2_1: KEY2.1 R19.2
NetLED1_K: LED1.K R12.2
NetLED2_K: LED2.K R13.2
NetLED3_K: LED3.K R14.2
NetLED10_A: LED10.A R72.1 | length 3.1
  Top Layer w0.3: LED10.A@133.858,90.468 R72.1@133.858,93.583
NetLED11_A: LED11.A R27.1
NetLED12_A: LED12.A R43.1
NetLED13_A: LED13.A R60.1 | length 2.3
  Top Layer w0.4: R60.1@39.528,98.1 LED13.A@40.837,99.409
  Top Layer w0.5: R60.1@39.503,98.1 R60.1@39.528,98.1 ; LED13.A@40.837,99.409 40.939,99.409 LED13.A@41.154,99.624
NetLED14_A: LED14.A R67.1 | length 2.6
  Top Layer w0.5: R67.1@33.808,29.144 34.023,29.359 34.429,29.359 35.726,30.656 LED14.A@35.751,30.656
NetLED15_A: LED15.A R46.1
NetLED16_A: LED16.A R54.1
NetLED18_A: LED18.A R126.1 | length 2.8
  Top Layer w0.5: LED18.A@11.494,21.59 R126.1@14.343,21.59
NetQ1_1: Q1.1 Q2.3 R32.1 R34.2
NetQ1_3: Q1.3 R29.1 U2.1
NetQ2_1: Q2.1 R34.1 R36.2 R38.2
NetQ3_1: Q3.1 Q4.3 R35.1 | length 7.7
  Top Layer w0.254: R35.1@62.846,107.117 62.846,106.176 63.419,105.603 63.601,105.421 Q4.3@63.601,105.171 65.198,105.171 66.649,103.721 Q3.1@66.649,102.221 ; Q4.3@63.425,105.609 Q4.3@63.601,105.433
NetQ5_1: Q5.1 Q6.3 R42.1 | length 8.1
  Top Layer w0.3: Q5.1@30.189,64.265 30.189,62.476 31.224,61.44 32.874,61.44 32.874,61.74 33.049,61.565 Q6.3@33.049,61.315 33.049,61.267 33.224,61.092 33.486,61.092 33.819,60.759 R42.1@33.819,59.37
NetQ7_1: Q7.1 Q8.3 R48.2 | length 11.1
  Top Layer w0.5: R48.2@29.229,21.463 29.254,21.463 30.348,22.557 Q8.3@34.036,22.557 ; 34.851,23.622 38.047,23.622 38.34,23.329 38.34,22.632 Q7.1@38.415,22.557
  Top Layer w0.508: Q8.3@34.036,22.557 34.036,22.807 34.851,23.622
NetQ7_3: Q7.3 R45.2 U3.2 | length 8.6
  Top Layer w0.508: Q7.3@37.465,19.607 37.496,19.576 37.496,13.952
  Top Layer w0.762: U3.2@37.465,12.506 37.496,12.537 37.496,13.952 38.522,14.978 R45.2@38.547,14.978
NetQ8_1: Q8.1 R48.1 R50.2 R52.2 | length 7.8
  Top Layer w0.5: R50.2@27.451,19.923 R48.1@29.229,19.923 29.254,19.923 30.579,21.248 30.792,21.248 R52.2@31.007,21.463 32.512,21.463 33.043,20.932 33.043,19.65 Q8.1@33.086,19.607
NetQ9_1: Q9.1 Q10.3 R55.1 | length 7.4
  Top Layer w0.3: Q9.1@30.057,51.114 30.057,49.244 31.137,48.164 Q10.3@32.925,48.164 32.925,47.914 33.568,47.271 R55.1@33.568,46.219
NetQ11_1: Q11.1 R63.2 R64.1 | length 3.6
  Top Layer w0.5: R63.2@32.518,99.878 R64.1@32.518,98.1 32.625,97.993 34.135,97.993 34.235,97.893 Q11.1@34.235,97.886
NetQ11_3: Q11.3 R58.1 U4.5 | length 6.1
  Top Layer w0.5: R58.1@32.518,102.545 32.518,102.57 33.001,103.053 U4.5@34.674,103.053 34.724,103.003 35.326,103.003 35.759,102.57 35.759,101.235 35.185,100.661 Q11.3@35.185,100.386
NetQ12_1: Q12.1 R70.2 R71.1 | length 3.7
  Top Layer w0.5: R70.2@26.526,30.841 R71.1@26.526,29.083 26.667,28.942 28.19,28.942 28.29,28.842 Q12.1@28.29,28.801
NetQ12_3: Q12.3 R66.1 U5.5 | length 6.4
  Top Layer w0.5: R66.1@26.526,33.02 26.526,33.045 27.263,33.782 U5.5@28.657,33.782 28.707,33.732 29.655,33.732 29.986,33.401 29.986,32.322 29.24,31.576 Q12.3@29.24,31.301
NetQ13_1: Q13.1 R73.2 R74.1 | length 3.6
  Top Layer w0.3: R73.2@93.599,65.286 95.405,65.286 R74.1@95.424,65.267 95.424,66.935 Q13.1@95.484,66.995
  Top Layer w0.508: R73.2@93.599,65.286 R73.2@93.609,65.276
NetR5_2: R5.2 TPH.1 | length 3.5
  Top Layer w0.254: R5.2@76.415,54.273 76.434,54.253 76.434,50.828 TPH.1@76.454,50.808
NetR17_2: R17.2 WKUP.1
NetR30_1: R30.1 R33.2 U2.5
NetR40_1: R40.1 R47.2 U3.4 | length 3.9
  Top Layer w0.762: R40.1@31.504,13.065 33.112,13.065 33.196,12.981 34.894,12.981 34.925,12.95 U3.4@34.925,12.506
NetR51_1: R51.1 U3.6 | length 4.1
  Top Layer w0.762: R51.1@34.933,5.207 35.306,5.207 36.164,6.065 36.164,7.275 U3.6@36.195,7.306 36.195,6.072
NetR61_1: R61.1 U4.1 | length 2.7
  Top Layer w0.5: U4.1@37.474,102.103 37.613,102.103 37.663,102.053 37.663,99.829 R61.1@37.852,99.64
NetR69_1: R69.1 U5.1 | length 2.4
  Top Layer w0.5: U5.1@31.457,32.832 31.63,32.832 31.68,32.782 31.68,30.899 31.895,30.684 R69.1@31.903,30.684
NetR85_1: R85.1 U8.1 | length 2.2
  Top Layer w0.3: R85.1@42.041,61.281 U8.1@44.223,61.281
NetR86_1: R86.1 U8.2 | length 2.2
  Top Layer w0.3: R86.1@42.041,60.011 U8.2@44.223,60.011
NetR87_1: R87.1 U8.3 | length 2.2
  Top Layer w0.3: R87.1@42.041,58.741 U8.3@44.223,58.741
NetR91_2: R91.2 U9.1 | length 2.1
  Top Layer w0.3: R91.2@19.812,75.819 U9.1@19.812,77.918
NetR93_2: R93.2 U9.2 U9.3 | length 3.4
  Top Layer w0.3: R93.2@21.082,75.819 U9.2@21.082,77.918 U9.3@22.352,77.918
NetR95_2: R95.2 U9.4 | length 2.1
  Top Layer w0.3: R95.2@23.622,75.819 U9.4@23.622,77.918
NetR122_2: R122.2 U8.7 | length 5.9
  Top Layer w0.3: U8.7@49.423,60.011 49.5,60.087 50.446,60.087 50.848,60.49 50.848,63.323 50.252,63.919 R122.2@49.617,63.919
NetR127_2: R127.2 U6.2 | length 2.2
  Top Layer w0.5: R127.2@113.455,50.492 U6.2@115.683,50.492
NetR128_2: R128.2 U6.3 | length 2.2
  Top Layer w0.5: R128.2@113.455,48.488 R128.2@113.455,48.488 115.681,48.49 U6.3@115.683,48.492
NetR129_2: R129.2 U6.4 | length 2.2
  Top Layer w0.5: R129.2@113.455,46.492 U6.4@115.683,46.492
NetR130_2: R130.2 U6.5 | length 2.2
  Top Layer w0.5: R130.2@113.455,44.492 U6.5@115.683,44.492
NetR131_2: R131.2 U6.6
NetR135_1: R135.1 U6.12
OSC32_IN: C16.1 R11.2 U1.8 Y2.2 | length 10.3
  Top Layer w0.254: Y2.2@58.388,49.827 58.401,49.814 C16.1@60.001,49.814 ; R11.2@60.001,48.657 C16.1@60.001,49.814 ; U1.8@63.286,55.511 63.286,53.936 61.286,51.936 61.286,50.308 60.792,49.814 C16.1@60.001,49.814
OSC32_OUT: C17.1 R11.1 U1.9 Y2.1 | length 13.7
  Top Layer w0.254: Y2.1@58.388,46.527 59.879,46.527 C17.1@60.001,46.649 ; R11.1@60.001,47.807 C17.1@60.001,46.649 ; U1.9@63.786,55.511 63.786,53.862 61.697,51.772 61.697,47.548 60.786,46.637 60.013,46.637 C17.1@60.001,46.649
PRESET: C45.2 D13.2 J2.22 Q13.3 | length 32.9
  Top Layer w0.254: D13.2@93.157,72.263 D13.2@93.472,71.948 ; C45.2@93.472,70.731 C45.2@93.718,70.485 C45.2@93.718,70.46
  Top Layer w0.3: J2.22@85.217,92.761 92.456,92.761 93.157,92.06 D13.2@93.157,72.263 ; Q13.3@92.984,67.945 92.984,69.726 C45.2@93.718,70.46 ; C45.2@93.472,70.731 D13.2@93.472,71.948
PWRER_CAM: R63.1 U1.43
PWRER_MIC: R36.1 U1.41
PWRER_MP: R50.1 U1.40
PWRER_OUT: R70.1 U1.42
PWRER_OUT3.3: Q6.1 R49.2 U1.45 | length 1.8
  Top Layer w0.3: R49.2@33.946,66.084 33.999,66.031 Q6.1@33.999,64.265
PWRER_OUT5: Q10.1 R62.2 U1.46 | length 1.9
  Top Layer w0.3: R62.2@33.568,52.933 33.875,52.626 Q10.1@33.875,51.114
PWRER_USB: Q4.1 R39.2 U1.44 | length 1.9
  Top Layer w0.3: Q4.1@62.651,102.221 62.651,100.597 R39.2@62.846,100.402
RS485_RE: R93.1 U1.36
SDIO_CMD: R22.2 SD1.3 U1.83 | length 6.7
  Top Layer w0.254: SD1.3@38.396,80.652 R22.2@38.396,87.383
SDIO_D0: R23.2 SD1.7 U1.65 | length 6.7
  Top Layer w0.254: SD1.7@42.796,80.652 R23.2@42.796,87.383
SDIO_D1: R24.2 SD1.8 U1.66 | length 6.7
  Top Layer w0.254: SD1.8@43.896,80.652 R24.2@43.896,87.383
SDIO_D2: R20.2 SD1.1 U1.78 | length 6.7
  Top Layer w0.254: SD1.1@36.196,80.652 R20.2@36.196,87.383
SDIO_D3: R21.2 SD1.2 U1.79 | length 6.7
  Top Layer w0.254: SD1.2@37.296,80.652 R21.2@37.296,87.383
SDIO_SCK: SD1.5 U1.80
SPI2_CSN: JP12.3 U1.51
SPI2_MISO: JP12.5 U1.53
SPI2_MOSI: JP12.6 U1.54
SPI2_SCLK: JP12.4 U1.52
SPI3_CSN: JP15.3 U1.77
SPI3_MISO: JP15.5 U1.90
SPI3_MOSI: JP15.6 U1.91
SPI3_SCLK: JP15.4 U1.89
SWCLK: P1.3 U1.76
SWDIO: P1.2 U1.72
UART2_RXD_1: R119.2 U1.26
UART2_RXD_2: R121.2 U1.87
UART2_TXD_1: R118.2 U1.25
UART2_TXD_2: R120.2 U1.86
UART3_CTS: J2.25 U1.58 | length 27.7
  Top Layer w0.254: U1.58@68.286,70.561 68.286,79.502 68.286,81.961 68.286,83.561 68.286,86.233 68.286,89.021 cw(c70.826,89.021) 70.826,91.561 J2.25@76.117,91.561
UART3_RTS: J2.23 U1.59 | length 28.8
  Top Layer w0.254: U1.59@67.786,70.561 67.786,89.321 cw(c70.826,89.321) 70.826,92.361 J2.23@76.117,92.361
UART3_RXD: J2.13 U1.56 | length 38.2
  Top Layer w0.254: v3(69.206,89.408) cw(c69.206,89.328) 69.286,89.328 69.286,80.761 69.286,79.248 69.286,78.486 69.286,76.835 U1.56@69.286,70.561 ; v3(69.206,93.343) 69.206,93.853 cw(c72.246,93.853) 72.246,96.893 76.967,96.893 ccw(c76.967,98.285) 78.359,98.285 78.359,98.696 ccw(c77.494,98.696) 77.494,99.561 J2.13@76.117,99.561
  Bottom Layer w0.254: v3(69.206,89.408) v3(69.206,93.343)
UART3_TXD: J2.11 U1.55 | length 38.9
  Top Layer w0.254: U1.55@69.786,70.561 69.786,89.328 cw(c69.866,89.328) v3(69.866,89.408) ; v3(69.866,93.343) 69.866,93.853 cw(c72.406,93.853) 72.406,96.393 76.967,96.393 ccw(c76.967,98.285) 78.859,98.285 78.859,98.679 ccw(c77.304,98.679) 77.304,100.234 76.424,100.234 cw(c76.424,100.668) J2.11@76.117,100.361
  Bottom Layer w0.254: v3(69.866,89.408) v3(69.866,93.343)
UART4_RXD: R115.2 U1.24
UART4_TXD: R1.2 R117.2
UART6_RXD: R91.1 U1.64
UART6_TXD: R95.1 U1.63
USB_N: R133.1 U1.70 | length 24.7
  Top Layer w0.254: R133.1@52.562,90.529 52.07,90.529 ccw(c52.07,90.275) 51.89,90.455 ccw(c52.07,90.275) 51.816,90.275 51.816,87.556 ccw(c54.356,87.556) 52.56,85.76 61.396,76.924 cw(c59.247,74.775) 62.286,74.775 62.286,71.501 62.294,71.493 62.294,70.561 U1.70@62.286,70.561
USB_P: R134.1 U1.71 | length 24.7
  Top Layer w0.254: R134.1@50.562,90.529 51.054,90.529 cw(c51.054,90.275) 51.234,90.455 cw(c51.054,90.275) 51.308,90.275 51.308,87.555 ccw(c54.353,87.555) 52.2,85.402 61.034,76.568 cw(c59.238,74.771) 61.778,74.771 61.778,71.001 61.786,70.993 U1.71@61.786,70.561
USIM_CLK: J2.12 R78.1 | length 57.6
  Top Layer w0.254: J2.12@85.217,99.961 85.344,99.834 99.671,99.834 125.464,74.041 130.841,74.041 R78.1@131.686,73.196
USIM_DATA: J2.10 R79.1 | length 59.2
  Top Layer w0.254: J2.10@85.217,100.761 85.344,100.634 100.003,100.634 125.834,74.803 131.419,74.803 R79.1@133.026,73.196
USIM_RST: J2.14 R77.1 | length 55.9
  Top Layer w0.254: J2.14@85.217,99.161 85.344,99.034 99.34,99.034 125.178,73.196 R77.1@130.346,73.196
USIM_VDD: C49.2 C54.2 J2.8 J3.1 R76.2 U7.5 | length 82.1
  Top Layer w0.254: J2.8@85.344,101.434 J2.8@85.217,101.561 83.527,101.561 83.185,101.219 83.185,97.79 83.439,97.536 99.568,97.536 125.73,71.374 J3.1@125.476,71.374 ; J3.1@126.873,71.374 v2(128.907,71.374) ; U7.5@132.334,67.864 132.334,66.58 v2(133.119,65.795) 133.119,64.947 C49.2@133.03,64.858 C54.2@134.372,64.858 ; R76.2@134.366,73.196 134.423,73.139 135.072,73.139 135.313,72.898 v2(135.382,72.898)
  Bottom Layer w0.254: v2(128.907,71.374) 134.874,71.374 135.382,70.866 ; v2(133.119,65.795) 135.382,68.058 135.382,70.866 ; v2(135.382,72.898) 135.382,70.866
VDDA: C8.2 C9.2 R4.2 R6.2 U1.22 | length 18.1
  Top Layer w0.254: R6.2@68.58,51.435 68.667,51.347 69.617,51.347 C9.2@69.704,51.26 69.704,48.663 69.853,48.514 72.622,48.514 72.771,48.663 C8.2@72.771,49.701 73.025,49.955 R4.2@73.025,51.435 73.152,51.562 73.787,51.562 74.041,51.816 74.041,53.213 73.607,53.647 70.554,53.647 70.286,53.915 U1.22@70.286,55.511
WiFi_EN: R135.2 U1.35
WiFi_MISO: R128.1 U1.31
WiFi_MOSI: R129.1 U1.32
WiFi_nCS: R130.1 U1.29
WiFi_nRST: R131.1 U1.67
WiFi_SCLK: R127.1 U1.30
pads on no net: BAT.0 J1.2 J1.3 J1.4 J2.3 J2.5 J2.6 J2.7 J2.16 J2.19 J2.24 J2.28 J2.30 J2.32 J2.33 J2.36 J2.38 J2.44 J2.45 J2.46 J2.47 J2.48 J2.49 J2.51 J3.5 J4.9 JP13.5 S1.1 U1.7 U6.8 U6.9 U6.10 U6.11 U6.13 U6.14 U6.15 U7.6
copper on no net:
  other v1: 45.72,2.794 45.72,3.429 45.72,4.191 45.72,4.826 29.972,7.493 30.734,7.493 31.496,7.493 32.131,7.493 32.766,7.493 33.528,7.493 29.972,8.255 30.734,8.255 31.496,8.255 32.131,8.255 32.766,8.255 33.528,8.255 35.306,8.89 36.068,8.89 36.703,8.89 37.338,8.89 38.1,8.89 29.972,9.017 30.734,9.017 31.496,9.017 32.131,9.017 32.766,9.017 33.528,9.017 35.306,9.652 36.068,9.652 36.703,9.652 37.338,9.652 38.1,9.652 29.972,9.779 30.734,9.779 31.496,9.779 32.131,9.779 32.766,9.779 33.528,9.779 29.972,10.414 30.734,10.414 31.496,10.414 32.131,10.414 32.766,10.414 33.528,10.414 35.306,10.414 36.068,10.414 36.703,10.414 37.338,10.414 38.1,10.414 35.306,11.049 36.068,11.049 36.703,11.049 37.338,11.049 38.1,11.049 30.734,11.176 31.496,11.176 32.131,11.176 32.766,11.176 33.528,11.176
  other v5: 0,0 134,0 0,106 134,106

## Keep-outs
Keep-Out Layer:
  lines w0.254: -3,-1.1 -3,107.1 cw(c-1.1,107.1) -1.1,109 135.1,109 cw(c135.1,107.1) 137,107.1 137,-1.1 cw(c135.1,-1.1) 135.1,-3 -1.1,-3 ; -2.995,-1.095 ccw(c-1.095,-1.095) -1.095,-2.995

## Silkscreen, mask and mechanical layers (free items; w line width, h text height)
Top Overlay:
  text "OFF" at 29.328,-2.286 h0.6
  text "ON" at 31.36,-2.286 h0.6

## Text inside footprints (layer, text, board x,y; h text height)
J1: Mechanical 2 "PCB Edge" at -3.397,8.713 h0.41 r270
J2: Top Overlay "1" at 75.736,104.945 h1.2 r90
J4: Bottom Overlay "DC" at 48.997,103.861 h1 r90; Bottom Overlay "DP" at 50.876,103.861 h1 r90; Bottom Overlay "DM" at 52.959,103.861 h1 r90; Bottom Overlay "VCC" at 54.915,104.36 h1 r90; Bottom Overlay "GND" at 48.082,100.431 h1 r90; Bottom Overlay "DC" at 49.809,99.931 h1 r90; Bottom Overlay "ACT" at 51.765,100.431 h1 r90; Bottom Overlay "IN" at 53.797,99.847 h1 r90; Bottom Overlay "NC" at 56.007,99.931 h1 r90
J5: Top Overlay "VCC" at 102.743,9.271 h1.27 r90; Top Overlay "SDA" at 102.743,14.351 h1.27 r90; Top Overlay "SCL" at 102.743,11.922 h1.27 r90; Top Overlay "GND" at 102.616,6.604 h1.27 r90
JP1: Top Overlay "6" at 24.325,44.958 h1.02 r270; Top Overlay "5" at 21.785,44.958 h1.02 r270; Top Overlay "2" at 24.325,54.102 h1.02 r270; Top Overlay "1" at 21.785,53.848 h1.02 r270
JP2: Top Overlay "6" at 24.007,58.741 h1.02 r270; Top Overlay "5" at 21.467,58.741 h1.02 r270; Top Overlay "2" at 24.007,67.885 h1.02 r270; Top Overlay "1" at 21.467,67.631 h1.02 r270
JP13: Top Overlay "GPS" at 131.318,24.638 h4 r90; Top Overlay "VBAT" at 124.968,22.352 h0.6 r90; Top Overlay "GND" at 124.968,25.273 h0.6 r90; Top Overlay "TX" at 124.968,27.94 h0.6 r90; Top Overlay "RX" at 124.968,30.607 h0.6 r90; Top Overlay "PPS" at 124.968,32.766 h0.6 r90
P2: Top Overlay "GND" at 18.967,94.207 h1.27; Top Overlay "TX" at 14.249,94.207 h1.27; Top Overlay "RX" at 16.725,94.207 h1.27; Top Overlay "VCC" at 21.657,94.207 h1.27
S2: Top Overlay "1" at 98.219,8.779 h0.4 r90
S3: Top Overlay "1" at 107.915,28.654 h0.4
S4: Top Overlay "1" at 14.938,67.294 h0.4 r270
S5: Top Overlay "1" at 93.525,28.654 h0.4
S6: Top Overlay "1" at 3.889,67.294 h0.4 r270
S7: Top Overlay "1" at 15.04,45.466 h0.4 r270
S8: Top Overlay "1" at 120.752,21.733 h0.4 r90
S9: Top Overlay "1" at 91.139,46.761 h0.4
S10: Top Overlay "1" at 4.372,45.323 h0.4 r270
S11: Top Overlay "1" at 15.011,29.846 h0.4 r270
S12: Top Overlay "1" at 97.806,46.761 h0.4
S13: Top Overlay "1" at 4.324,30.21 h0.4 r270
S14: Top Overlay "1" at 104.219,46.761 h0.4